# Altium PCB Shaheen.PcbDoc (part 1 of 4)
Units mm, origin at the board's own origin, x right, y up, seen from the top; angles counter-clockwise.
Board outline 102.4 x 144.2 mm, 4 copper layers (Top Layer, GND1, POWER, Bottom Layer), stack 0.89 mm thick; 163 components, 248 nets, 932 pads, 530 vias.
Unrouted connection lines stored in the file: 1.
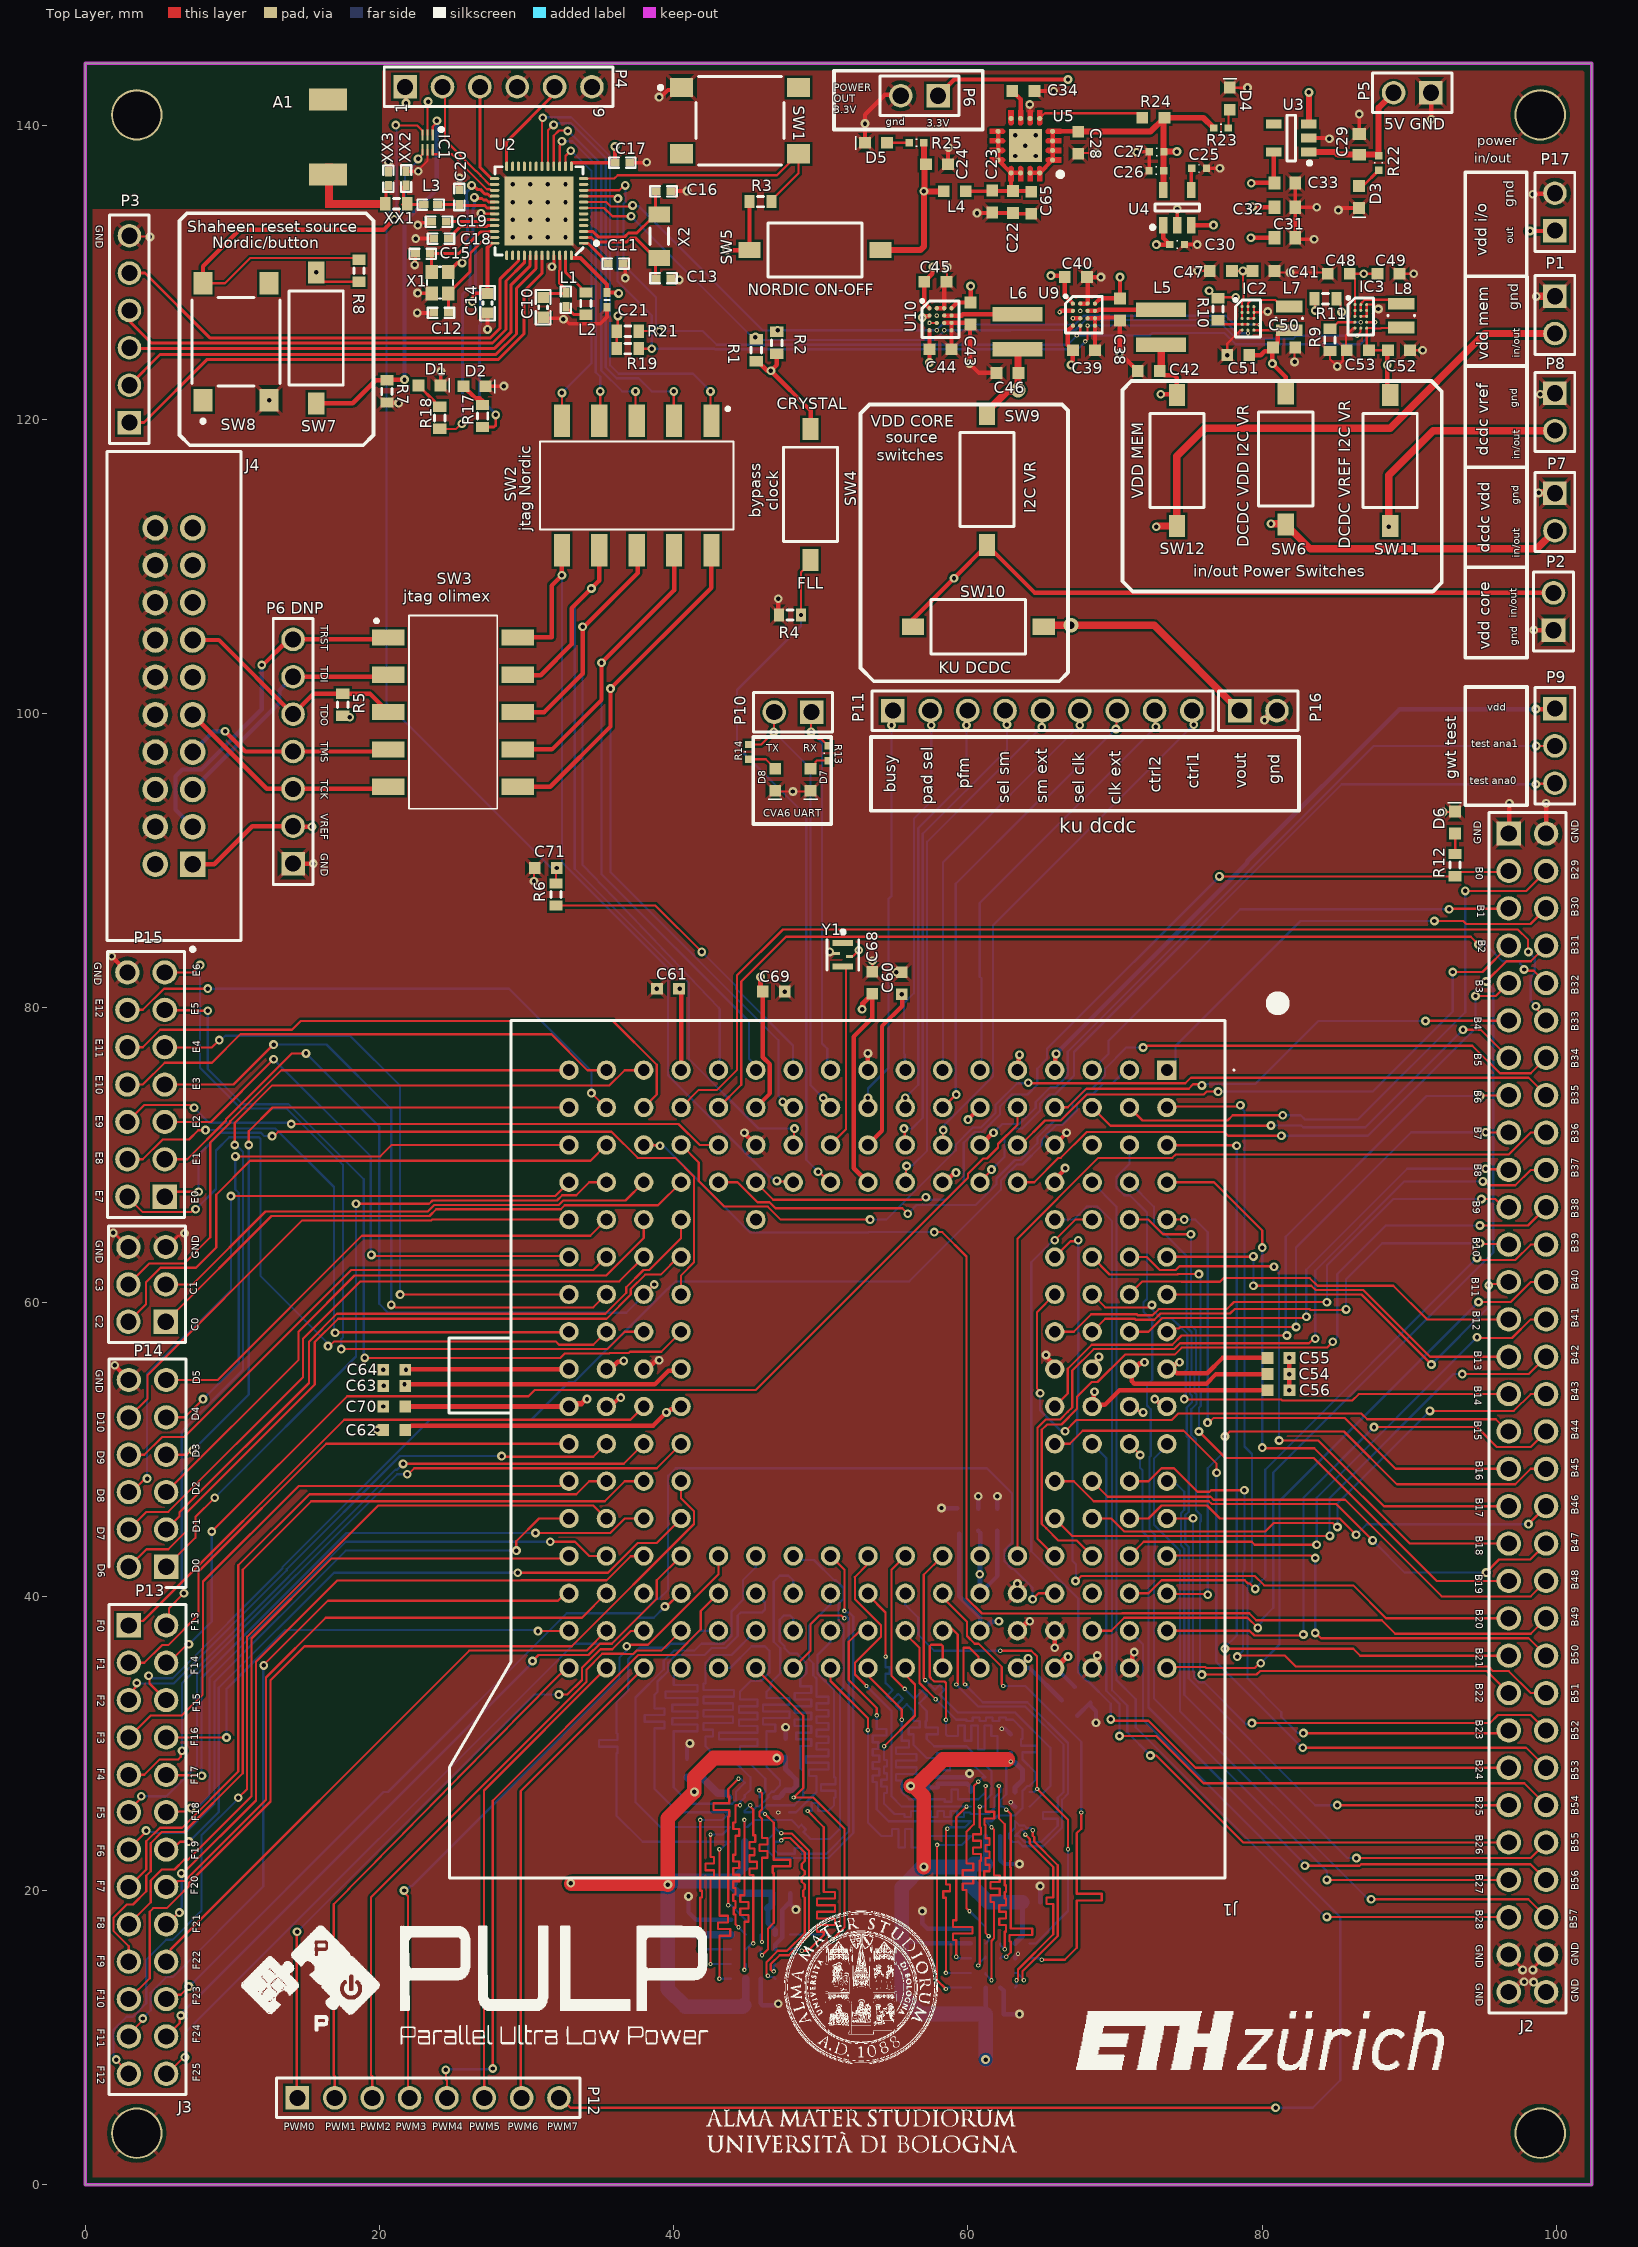
[diagram p0: Top Layer view]
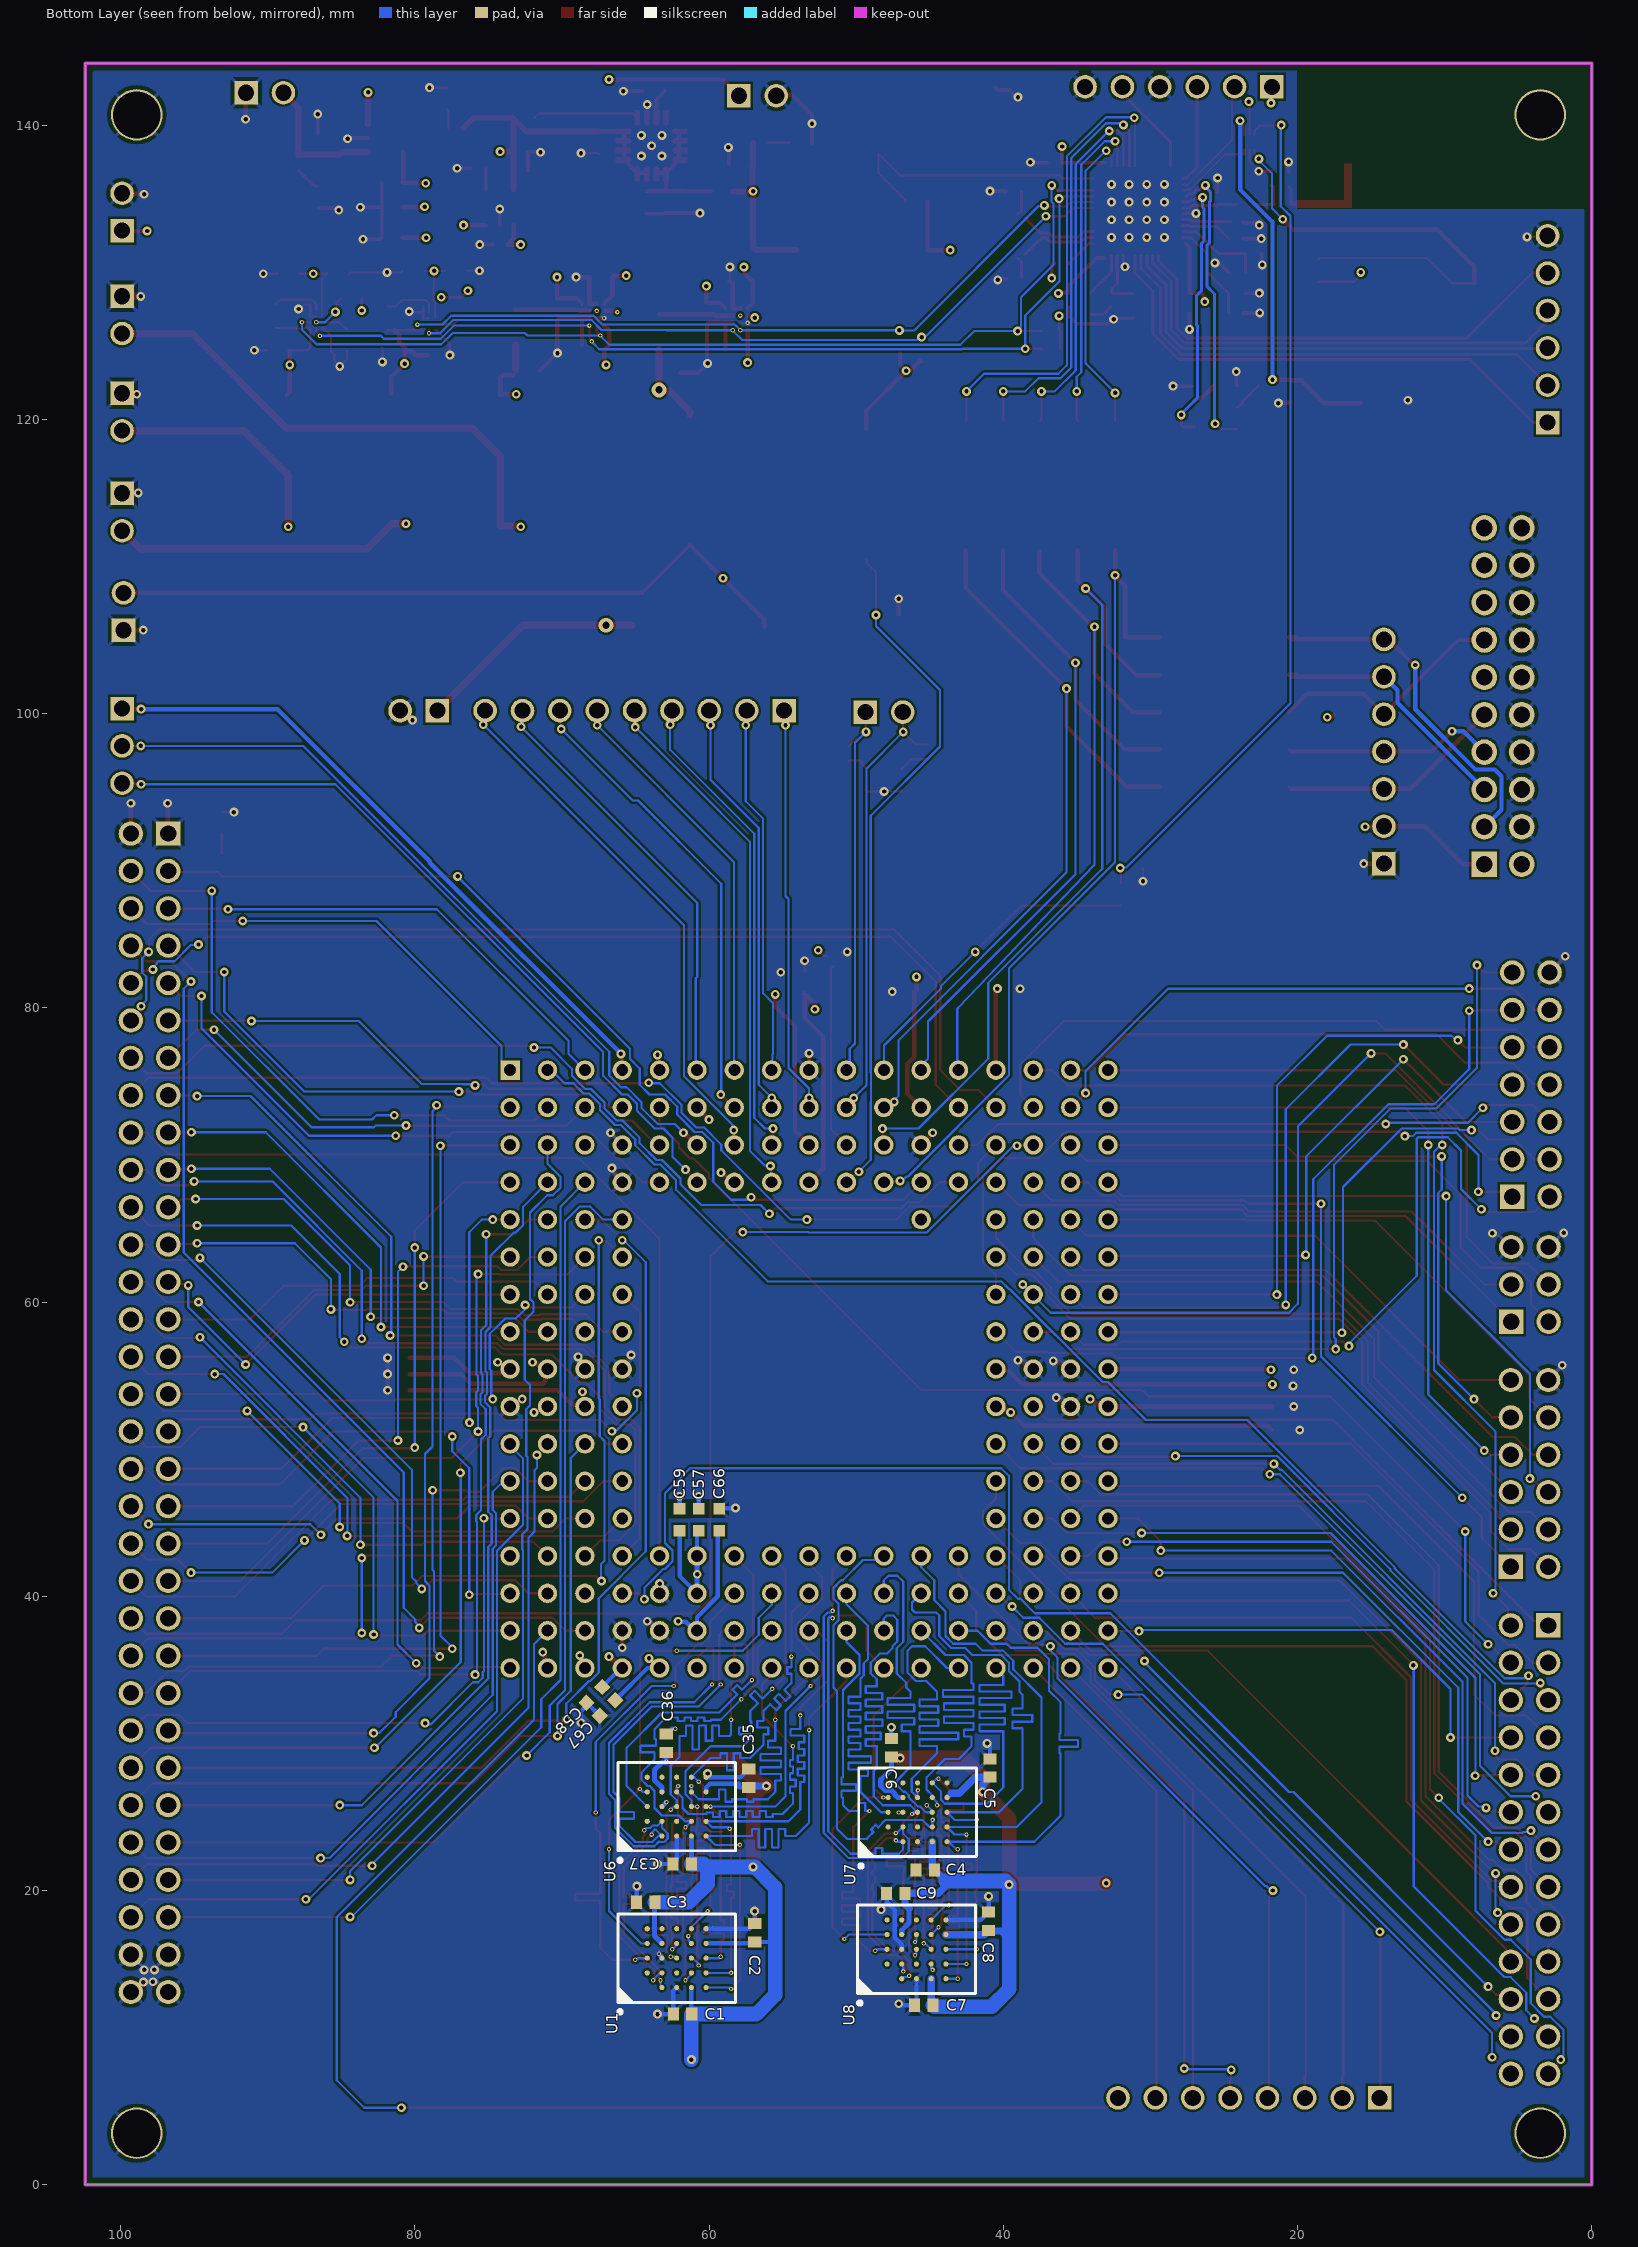
[diagram p1: Bottom Layer view, seen from below]
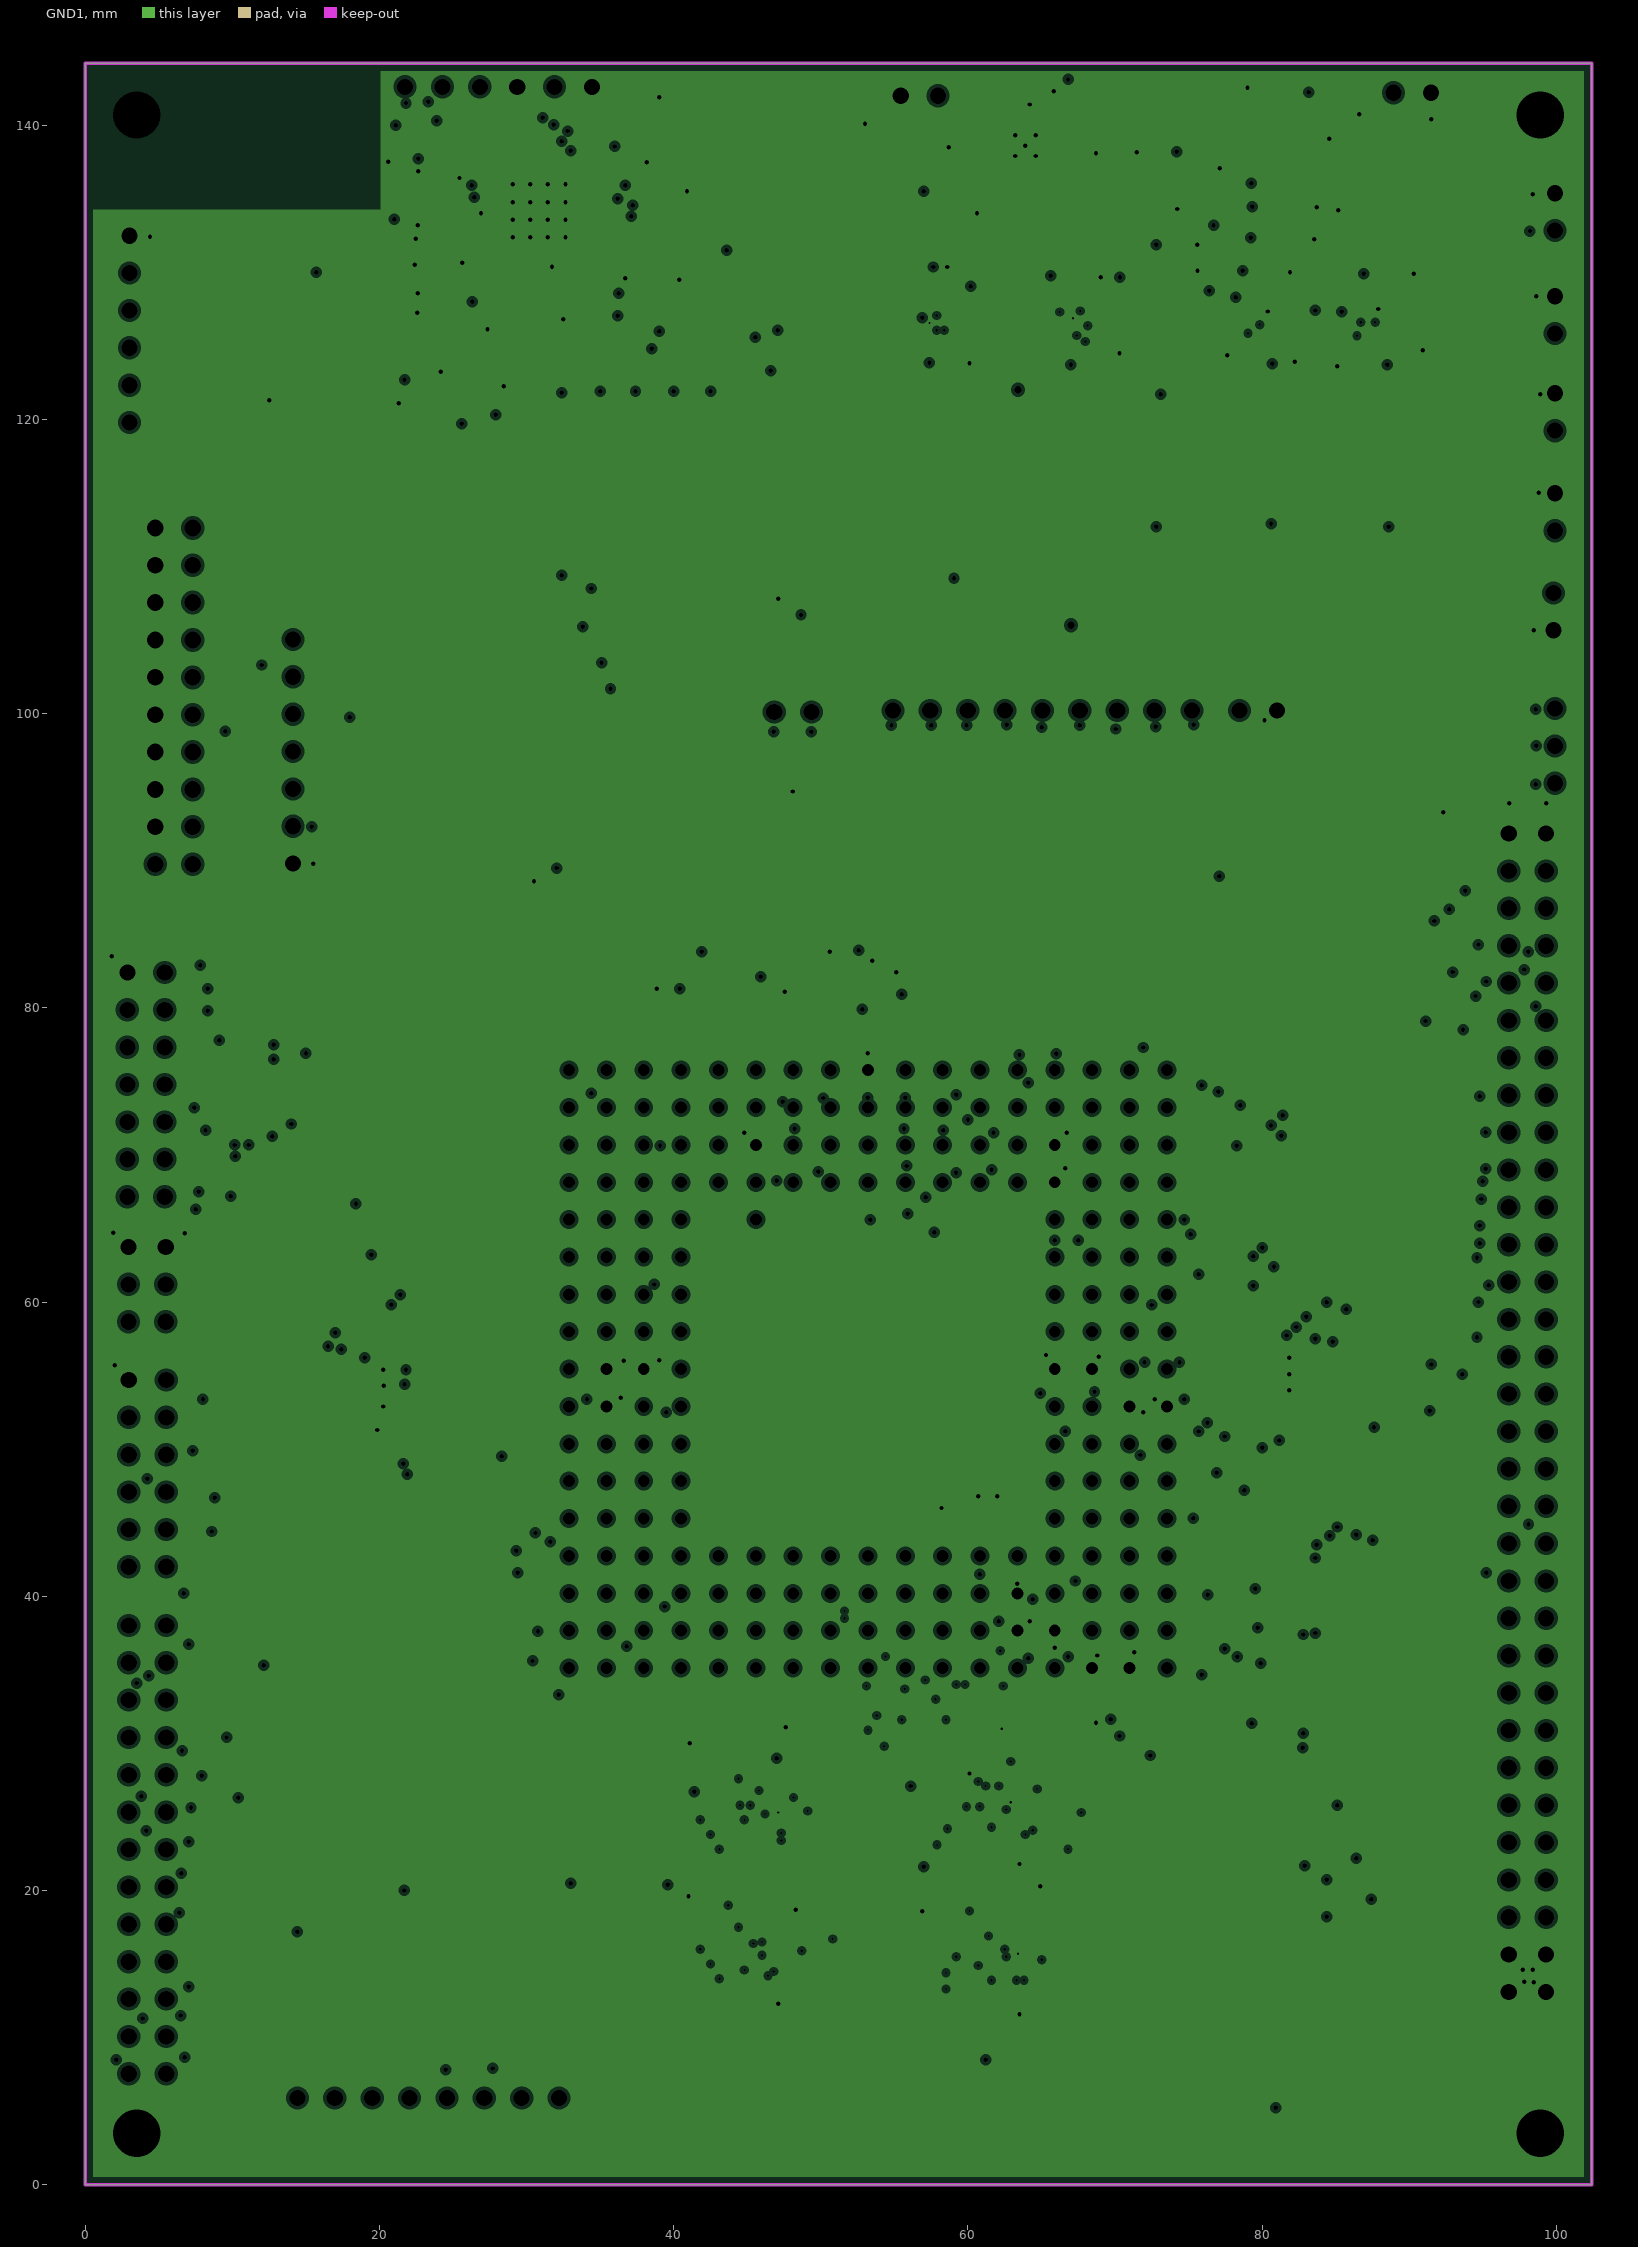
[diagram p2: GND1, clearances drawn from the general rule]
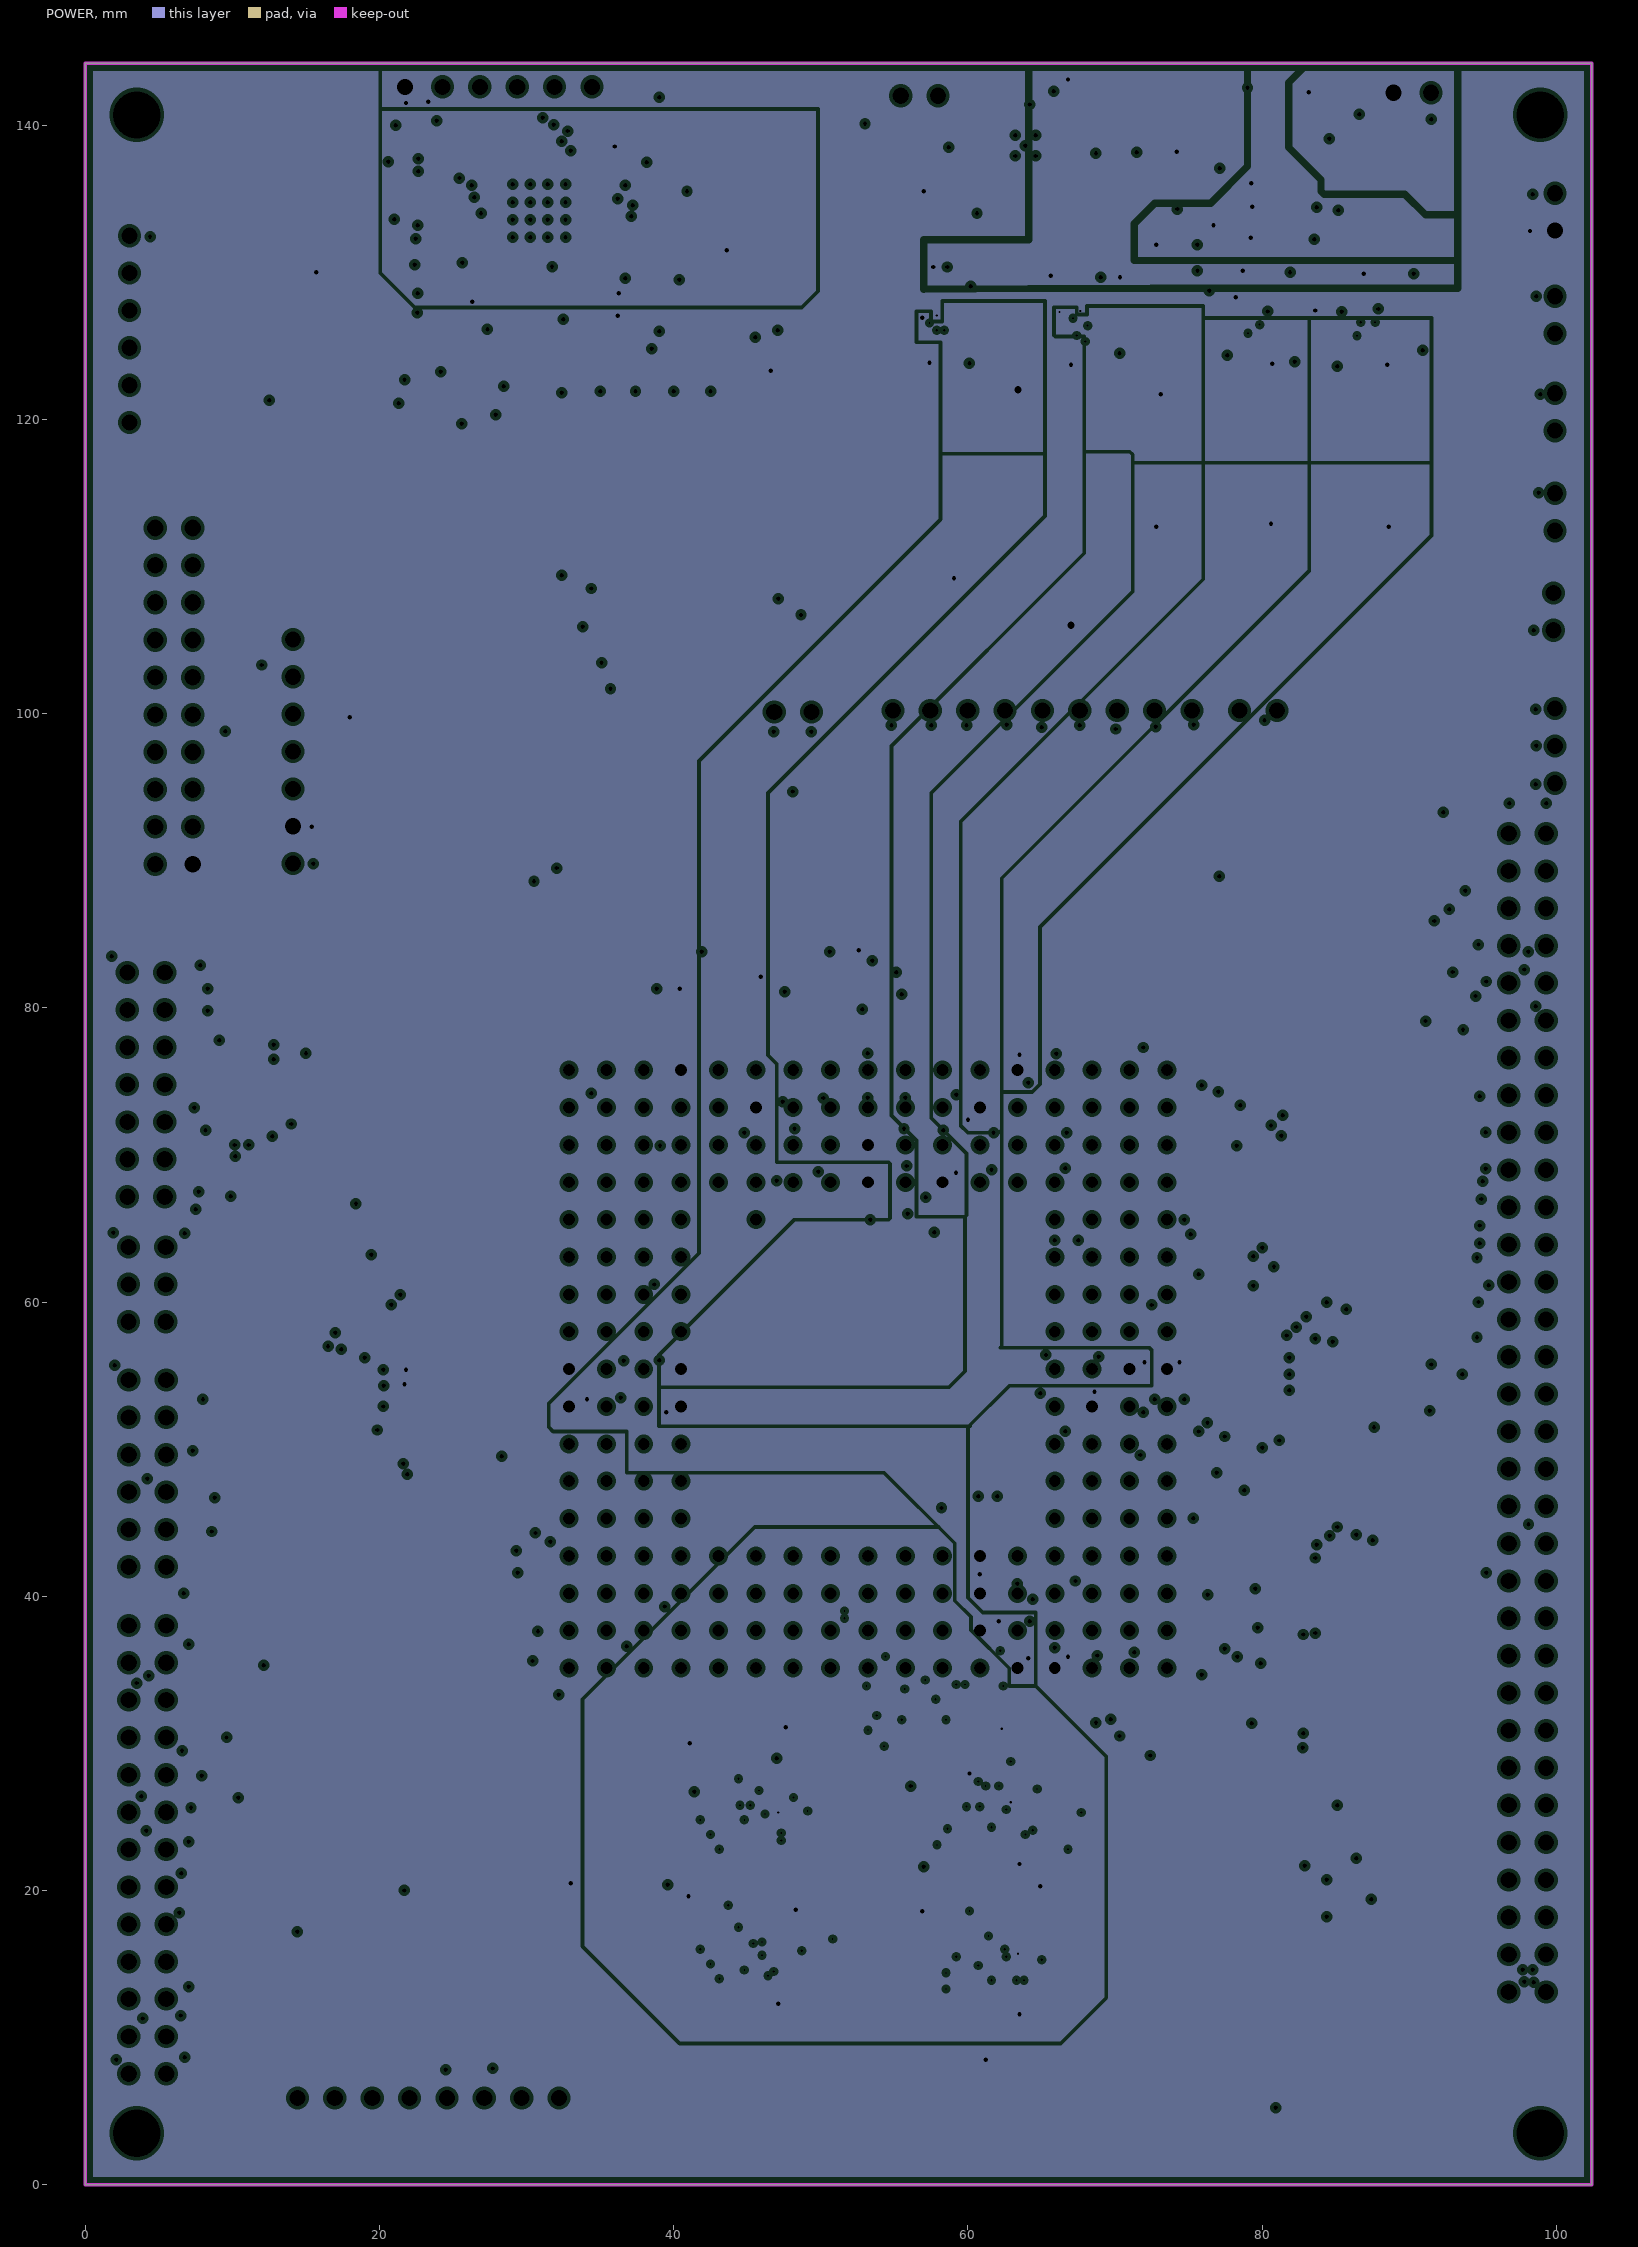
[diagram p3: POWER, clearances drawn from the general rule]

## Layer stack, top to bottom
Top Solder: solder mask 0.0102, Solder Resist, Dk 3.5
Top Layer: signal copper 0.035
Dielectric 1: prepreg 0.11, FR-4, Dk 4.29
GND1: plane copper 0.035, net GND
Dielectric 6: core 0.53, FR-4, Dk 3.96
POWER: plane copper 0.035, net (Multiple Nets)
Dielectric 2: prepreg 0.11, FR-4, Dk 4.29
Bottom Layer: signal copper 0.035
Board Layer Stack Bottom Solder: solder mask 0.0102, Solder Resist, Dk 3.5

## Board outline
0,0 0,144.2 102.398,144.2 102.398,0
